# Altium PCB host_board.PcbDoc (part 6 of 8)
Units mm, origin at the board's own origin, x right, y up, seen from the top; angles counter-clockwise.
Board outline 87.41 x 55.77 mm, 4 copper layers (Top Layer, GND, Power, Bottom Layer), stack 1.59 mm thick; 232 components, 252 nets, 1101 pads, 689 vias.
Unrouted connection lines stored in the file: 17.
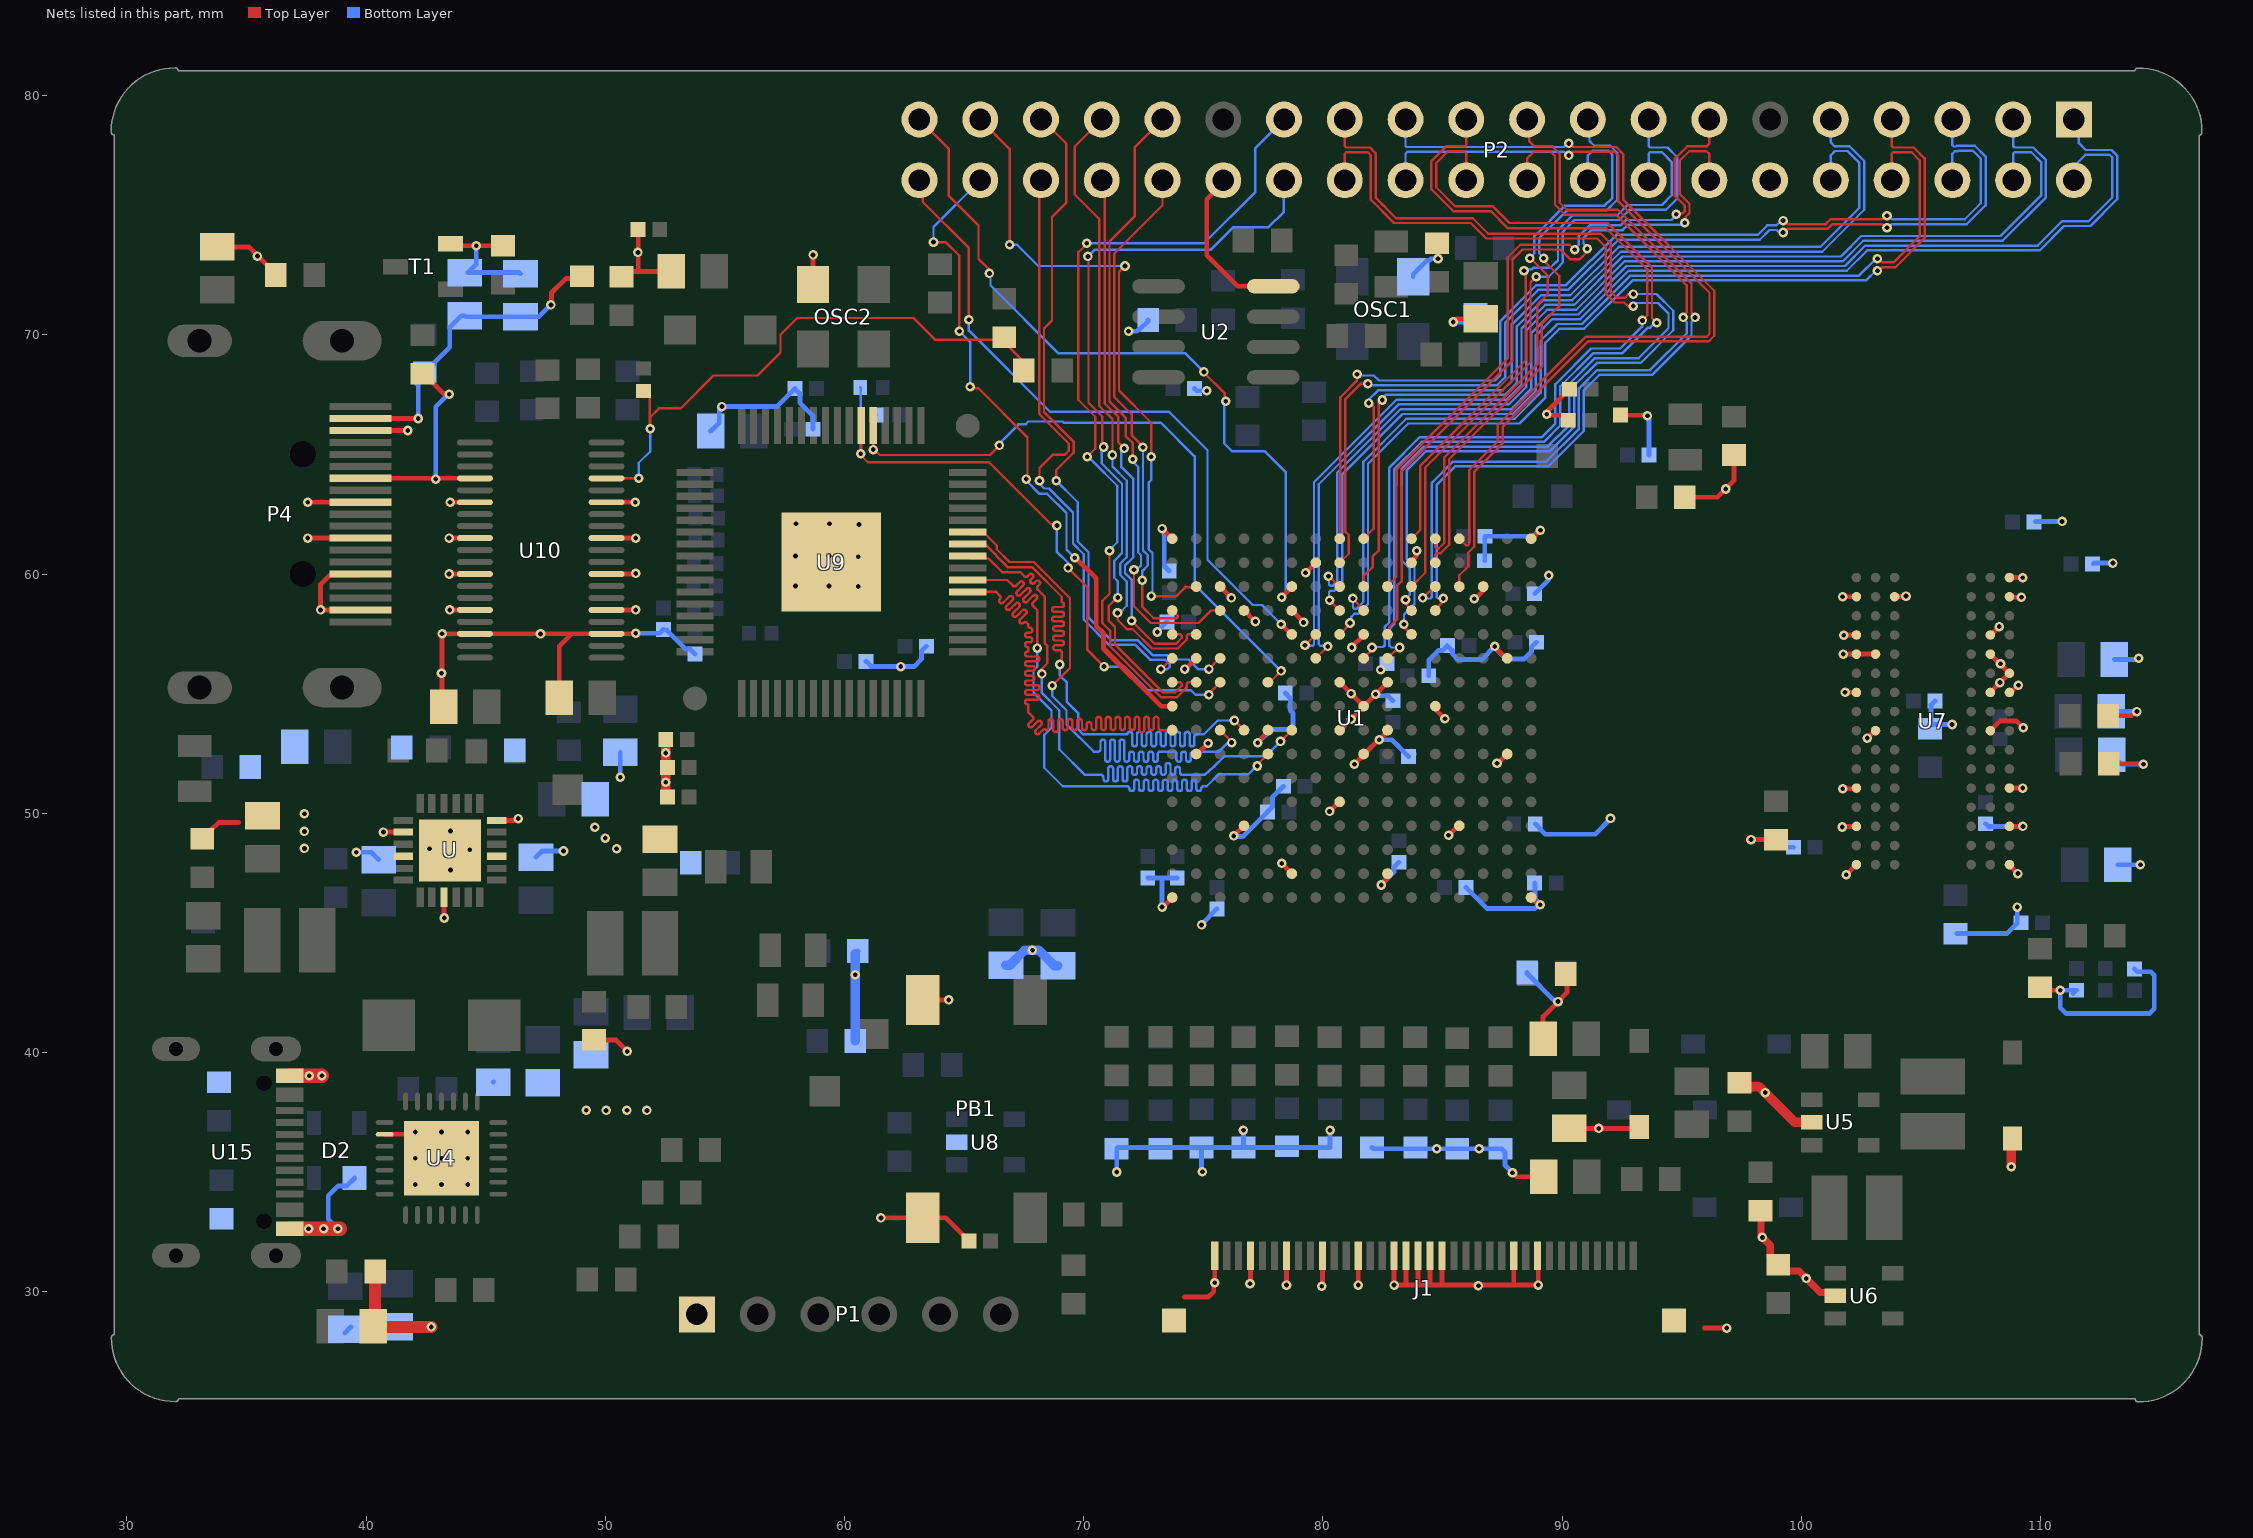
[diagram p8: the nets of this part, all layers, seen from the top]

## Via types
v1: diameter 0.4, hole 0.2, Top Layer to Bottom Layer, tented both sides, 664 vias
v2: diameter 0.5, hole 0.2, Top Layer to Bottom Layer, 9 vias
v3: diameter 0.4, hole 0.2, Top Layer to Bottom Layer, 7 vias
v4: diameter 0.4/0.4/0.4/0.4 (per signal layer), hole 0.2, Top Layer to Bottom Layer, tented both sides, 5 vias
v5: diameter 3, hole 3, Top Layer to Bottom Layer, tented both sides, 4 vias

## Nets (pads, with @x,y where several pads share a name; then routed paths per layer and width w, separated by ;. In a path a pad name is that pad's centre, name@x,y a point inside that pad or via, vN(x,y) a via of type N, cw(c..) or ccw(c..) an arc to the next point about the centre after c; other vN are vias at no path point) (continued)
GND: C1.1 C2.1 C3.1 C4.1 C5.1 C6.1 C7.1 C8.1 C9.1 C10.1 C11.1 C12.1 C13.1 C14.1 C15.1 C16.2 C17.1 C18.1 C21.1 C22.1 C23.1 C24.1 C25.1 C26.1 C27.1 C28.1 C29.1 C30.2 C31.1 C32.1 C34.1 C35.1 C37.2 C38.1 C40.1 C41.1 C42.1 C43.1 C44.1 C45.1 C46.1 C47.1 C48.1 C49.1 C50.1 C51.1 C52.1 C53.1 C54.1 C55.1 C56.1 C57.1 C58.1 C59.1 C60.1 C61.1 C62.1 C63.1 C64.1 C65.1 C66.1 C67.1 C68.1 C69.1 C70.1 C71.1 C72.1 C73.1 C74.1 C75.1 C76.1 C77.1 C78.1 C79.1 C80.2 D2.1 D4.1 D7.2 J1.1 J1.4 J1.7 J1.10 J1.13 J1.16 J1.17 J1.18 J1.19 J1.20 J1.26 J1.28 J1.MP1 J1.MP2 OSC1.2 OSC2.2 P1.1 P2.12 P2.30 P4.2 P4.5 P4.8 P4.11 P4.17 PB1.3 PB1.4 R3_Designator1.1 R3_Designator2.1 R3_Designator3.1 R3_Designator4.1 R3_Designator5.1 R4_Designator1.2 R4_Designator2.2 R4_Designator3.2 R4_Designator4.2 R4_Designator5.2 R8.1 R9.1 R10.1 R11.1 R13.2 R17.2 R19.2 R21.2 R25.1 R26.1 R27.1 R28.1 R29.1 R30.1 R31.1 R33.1 R42.1 R44.1 R49.2 R62.1 R65.2 R66.2 R70.1 R75.1 R77.1 R78.1 R81.1 R82.1 R83.2 R90.2 T1.2 U1.A1 U1.A16 U1.B7 U1.B11 U1.D4 U1.D13 U1.E9 U1.G2 U1.G8 U1.G15 U1.H7 U1.H9 U1.H12 U1.J5 U1.J8 U1.K7 U1.K9 U1.L2 U1.L15 U1.M8 U1.N11 U1.N13 U1.P3 U1.P14 U1.R6 U1.R10 U1.T1 U1.T16 U2.4 U4.2 U4.29 U5.2 U6.2 U7.A9 U7.B1 U7.B3 U7.B9 U7.D1 U7.D8 U7.E1 U7.E2 U7.E8 U7.F9 U7.G1 U7.G8 U7.G9 U7.J2 U7.J8 U7.M1 U7.M9 U7.P1 U7.P9 U7.T1 U7.T9 U8.2 U9.65 U10.3 U10.5 U10.8 U10.11 U10.14 U10.25 U10.28 U10.31 U10.34 U10.36 U15.A1/B12 U15.B1/A12 U.2 U.4 U.9 U.15 U.18 U.25 | length 278.2
  Top Layer w0.2: R26.1@33.15,48.925 33.2,48.925 33.55,49.275 33.55,49.325 33.835,49.61 34.678,49.61 ; C16.2@33.775,73.675 35.1,73.675 36.225,72.55 R17.2@36.225,72.5 ; v1(37.56,61.5) P4.8@39.76,61.5 ; v1(37.56,63) P4.11@39.76,63 ; P4.2@39.76,58.5 v1(38.097,58.5) 38.097,59.57 38.377,59.85 38.477,59.95 39.71,59.95 P4.5@39.76,60 ; P4.17@39.76,66 v1(41.74,66) ; C37.2@40.332,28.525 C37.2@40.305,28.551 C37.2@40.375,28.621 ; v1(40.725,49.21) 41.552,49.21 U.2@41.554,49.212 ; U4.2@40.775,36.575 42.15,36.575 v2(43.15,35.575) ; v1(43.15,55.847) 43.175,55.822 C62.1@43.175,55.172 ; v1@43.175,55.847 v1(43.175,57.5) U10.36@44.55,57.5 48.59,57.5 ; C62.1@43.25,54.45 C62.1@43.27,54.47 ; U.9@43.256,46.494 43.256,45.634 v1(43.27,45.62) ; v1(43.47,60) 44.475,60 44.5,60.025 U10.31@44.525,60 ; v1(43.47,61.5) U10.28@44.55,61.5 U10.28@44.675,61.5 ; v1(43.495,58.5) U10.34@44.55,58.5 ; v1(43.51,63) U10.25@44.72,63 ; T1.2@43.525,73.8 43.6,73.725 v1(44.6,73.725) R70.1@45.725,73.725 ; U.18@45.466,49.695 46.275,49.695 v1@46.37,49.789 ; C65.1@48.075,54.825 48.075,56.985 48.59,57.5 ; R25.1@49.52,40.52 50.44,40.52 v1(50.92,40.04) ; U10.5@50.05,58.5 v1(51.275,58.5) ; U10.8@50.05,60 v1@51.375,60 ; U10.11@50.05,61.5 v1(51.275,61.5) ; U10.14@50.05,63 v1(51.25,63) ; R62.1@50.675,72.425 50.9,72.65 51.36,72.65 ; v1@51.275,57.5 U10.3@50.05,57.5 48.59,57.5 ; C2.1@51.372,74.4 51.372,72.662 51.36,72.65 ; C34.1@52.75,72.65 51.36,72.65 ; v1@58.66,73.34 58.68,73.32 OSC2.2@58.68,72.11 ; v4(61.52,33.08) 61.532,33.092 PB1.3@63.26,33.092 64.228,33.092 C80.2@65.2,32.12 ; PB1.4@63.26,42.192 63.264,42.196 v4(64.358,42.196) ; v1(73.275,61.9) U1.T16@73.7,61.475 ; v1@73.3,46.075 U1.A16@73.7,46.475 ; 74.209,29.775 75.212,29.775 75.437,30 75.437,30.337 v1(75.475,30.375) J1.1@75.475,31.5 ; v1(74.225,56.025) 74.25,56.025 U1.L15@74.7,56.475 ; U1.G15@74.7,52.475 74.75,52.475 v1(75.2,52.925) ; U1.P14@75.7,59.475 v1(76.175,59) ; P2.30@75.833,76.46 75.833,76.36 75.14,75.668 75.14,73.33 76.44,72.03 U2.4@77.925,72.03 ; v1(76.275,49.05) U1.D13@76.7,49.475 ; U1.N13@76.7,58.475 77.15,58.025 v1@77.166,58.025 ; v1@76.975,30.35 J1.4@76.975,31.5 ; v1(77.275,52.947) 77.275,52.976 77.575,53.276 77.575,53.282 77.7,53.407 U1.H12@77.7,53.475 ; v1(78.275,47.9) U1.B11@78.7,47.475 ; v1@78.475,30.3 J1.7@78.475,31.5 ; U1.N11@78.7,58.475 79.175,58 v1@79.191,58 ; v1(79.275,60.05) U1.R10@79.7,60.475 ; v1@79.975,30.25 J1.10@79.975,31.5 ; v1(80.275,50.075) 80.675,50.475 U1.E9@80.7,50.475 ; U1.H9@80.7,53.475 80.725,53.475 v1(81.175,53.925) 81.175,53.937 81.7,54.462 U1.J8@81.7,54.475 ; U1.K9@80.7,55.475 U1.J8@81.7,54.475 ; v1(81.204,56.928) 81.204,56.953 81.7,57.449 U1.M8@81.7,57.475 ; v1(81.316,52.05) 81.7,52.434 U1.G8@81.7,52.475 81.725,52.475 82.325,53.075 v1(82.35,53.075) 82.7,53.425 U1.H7@82.7,53.475 ; v1(81.475,30.275) J1.13@81.475,31.5 ; v1(82.434,47) 82.434,47.035 82.652,47.254 82.652,47.427 U1.B7@82.7,47.475 ; U1.K7@82.7,55.475 U1.J8@81.7,54.475 ; J1.16@82.975,31.5 v1(82.975,30.275) 83.488,30.275 ; J1.17@83.475,31.5 83.475,30.288 83.488,30.275 ; U1.R6@83.7,60.475 83.7,60.543 83.925,60.768 v1(83.925,60.975) ; J1.18@83.975,31.5 83.975,30.3 84,30.275 ; J1.19@84.475,31.5 84.475,30.275 ; U1.J5@84.7,54.475 84.7,54.35 v1(85.1,53.95) ; R42.1@84.759,73.825 84.809,73.775 v1(84.809,73.175) ; J1.20@84.975,31.5 84.975,30.275 ; v1(85.25,49.075) 85.65,49.475 U1.D4@85.7,49.475 ; v1(85.451,70.534) 85.451,70.55 85.576,70.675 C60.1@86.6,70.675 ; v1(86.325,58.967) 86.363,58.967 86.675,59.279 86.675,59.475 U1.P3@86.7,59.475 ; v3(87.181,56.975) 87.181,56.944 87.65,56.475 U1.L2@87.7,56.475 ; v1@87.275,52.05 U1.G2@87.7,52.475 ; v1(87.925,34.97) 88.095,34.8 C32.1@89.225,34.8 ; J1.26@87.975,31.5 87.975,30.341 88.041,30.275 ; U1.A1@88.7,46.475 88.998,46.177 v1(89.079,46.177) ; U1.T1@88.7,61.475 88.742,61.475 v3(89.092,61.825) ; J1.28@88.975,31.5 88.998,31.477 v1@88.998,30.392 ; v1@88.985,30.288 v1@88.998,30.3 ; v1(88.998,30.275) 88.041,30.275 ; C29.1@89.2,40.575 89.2,41.5 v1(89.827,42.127) 90.2,42.5 90.2,43.227 R49.2@90.155,43.272 ; C74.1@90.253,66.425 90.044,66.635 89.395,66.635 v1(89.355,66.675) 89.393,66.713 89.393,66.815 C78.1@90.303,67.725 ; C35.1@90.3,36.825 93.175,36.825 D7.2@93.225,36.875 ; C77.1@92.433,66.635 93.542,66.635 v1(93.562,66.616) ; R13.2@95.13,63.209 96.492,63.209 97.181,63.897 R75.1@97.181,64.975 ; 95.95,28.475 v1(96.881,28.475) ; v1(97.895,48.896) R30.1@98.933,48.896 ; v1(101.725,51.025) 102.271,51.025 102.273,51.023 102.321,50.975 102.246,51.05 U7.M1@102.3,51.05 ; v1@101.725,57.45 U7.D1@102.3,57.45 ; v1(101.725,59.05) U7.B1@102.3,59.05 ; v1(101.75,56.65) U7.E1@102.3,56.65 U7.E2@103.1,56.65 ; v1@101.8,49.45 U7.P1@102.3,49.45 ; v1@101.829,55.054 102.287,55.054 102.291,55.059 U7.G1@102.3,55.05 ; v1(101.875,47.425) U7.T1@102.3,47.85 ; v1(102.75,53.142) 103.058,53.45 U7.J2@103.1,53.45 ; U7.B3@103.9,59.05 103.912,59.063 104.363,59.063 v1(104.375,59.075) ; U7.J8@107.9,53.45 108.3,53.85 109,53.85 v1(109.275,53.575) ; U7.G8@107.9,55.05 107.9,55.054 108.3,55.454 v1(108.3,55.459) ; U7.E8@107.9,56.65 U7.F9@108.7,55.85 v1@108.3,55.45 ; U7.D8@107.9,57.45 107.925,57.45 v1(108.275,57.8) ; U7.T9@108.7,47.85 108.7,47.825 v1(109.05,47.475) ; U7.P9@108.7,49.45 v1@109.3,49.45 ; U7.M9@108.7,51.05 109.275,51.05 v1@109.275,51.025 ; U7.G9@108.7,55.05 108.754,55.05 v1@109.054,55.35 ; U7.B9@108.7,59.05 108.725,59.025 v1(109.2,59.025) ; U7.A9@108.7,59.85 109.225,59.85 v1@109.23,59.845 ; D4.1@108.775,36.35 D4.1@108.825,36.4 ; R8.1@109.975,42.727 110.1,42.602 v1(110.825,42.602) ; R9.1@112.825,54.075 113.796,54.075 113.971,54.25 v1(114.025,54.25) ; R31.1@112.85,52.068 v1@114.282,52.068 ; 83.488,30.275 84,30.275 ; 84,30.275 84.475,30.275 ; 84.475,30.275 84.975,30.275 ; 84.975,30.275 88.041,30.275
  Top Layer w0.3: R29.1@98.284,33.382 98.307,33.359 v1@98.307,32.33 ; v1@98.34,32.297 98.701,31.936 98.701,31.425 99.001,31.125 R27.1@99.033,31.125 99.298,30.86 99.896,30.86 100.792,29.964 101.286,29.964 U6.2@101.425,29.825
  Top Layer w0.4: C75.1@52.525,53.084 52.525,50.758 C72.1@52.6,50.683 ; R28.1@97.414,38.725 97.578,38.561 98.248,38.561 99.733,37.075 U5.2@100.425,37.075 ; v1(108.775,35.225) D4.1@108.775,36.35
  Top Layer w0.5: C37.2@40.332,28.525 v1(42.725,28.525) ; C37.2@40.375,28.621 R83.2@40.375,30.85
  Top Layer w0.6: U15.B1/A12@36.805,32.625 36.81,32.63 v1@37.51,32.63 ; U15.A1/B12@36.805,39.025 v1(38.15,39.025) ; v1(37.595,32.63) v1@38.91,32.63
  Bottom Layer w0.2: v1(38.82,32.63) 38.42,33.03 38.42,34 38.837,34.417 39.187,34.417 D2.1@39.52,34.75 ; C14.1@39.11,28.27 C14.1@39.365,28.525 ; v1(39.59,48.37) 40.22,48.37 C18.1@40.53,48.06 ; v1(44.6,73.725) 44.6,72.942 44.258,72.6 46.4,72.6 C63.1@46.45,72.55 ; C25.1@45.31,38.75 C25.1@45.335,38.775 ; C17.1@47.1,48.16 47.36,48.42 v1(48.25,48.42) ; v1(50.625,51.5) C64.1@50.625,52.55 ; v1(51.275,57.525) 52.275,57.525 C76.1@52.43,57.68 ; C76.1@52.575,57.655 53.37,56.86 53.54,56.86 C69.1@53.75,56.65 ; C27.1@54.4,65.975 54.758,66.333 54.758,66.883 v1(54.875,67) 57.175,67 C61.1@57.925,67.75 58.135,67.54 58.135,67.165 58.679,66.621 C67.1@58.679,66.05 ; R81.1@60.45,44.126 R81.1@60.56,44.235 ; C68.1@60.9,56.345 61.11,56.135 61.478,56.135 61.485,56.128 62.91,56.128 63.215,56.432 63.215,56.769 C3.1@63.425,56.979 ; v1(71.375,35) R3_Designator5.1@71.375,35.975 71.425,36.025 R4_Designator4.2@76.675,36.025 ; v1(71.875,70.15) 72.215,70.15 72.29,70.225 72.34,70.225 72.69,70.575 R44.1@72.69,70.625 ; C44.1@72.675,47.29 73.275,47.29 ; v1(73.071,57.575) 73.071,57.596 C45.1@73.475,58 ; v1(73.275,46.075) 73.275,47.29 ; v1(73.275,61.9) 73.275,61.846 73.365,61.756 73.365,60.335 C53.1@73.575,60.125 ; C48.1@73.909,47.29 73.275,47.29 ; C46.1@74.625,67.75 74.717,67.658 v1(75.14,67.658) ; R3_Designator4.1@74.925,36.025 74.925,35.053 v1@74.978,35 ; v1(74.925,45.328) 74.925,45.359 C70.1@75.566,46 ; v1(76.275,49.05) 76.3,49.025 76.65,49.025 77.465,49.84 77.885,50.26 77.885,50.66 C38.1@78.35,51.125 ; v1@76.7,36.75 76.675,36.725 R4_Designator4.2@76.675,36.025 ; v1(77.275,52.947) 77.828,53.5 78.6,53.5 78.75,53.65 78.75,54.175 78.635,54.29 78.635,54.815 C55.1@78.425,55.025 ; v1@80.3,36.75 R4_Designator3.2@80.3,36.025 R4_Designator4.2@76.675,36.025 ; R3_Designator2.1@82.05,36.025 82.1,35.975 v1(84.757,35.975) v1(86.525,35.975) 87.465,35.975 87.61,35.83 87.61,35.285 v1(87.925,34.97) ; v1(82.2,54.975) 82.254,54.975 82.319,54.91 82.715,54.91 C52.1@82.925,54.7 ; v1(82.35,53.075) 82.878,53.075 83.185,52.768 83.185,52.765 C9.1@83.575,52.375 ; v1(82.434,47) 82.965,47.531 82.965,47.74 C71.1@83.175,47.95 ; OSC1.2@83.77,72.425 83.77,72.525 84.345,73.1 84.445,73.1 84.52,73.175 v1(84.809,73.175) ; C49.1@84.425,55.75 84.425,56.403 84.82,56.799 84.99,56.799 C30.2@85.2,57.009 85.41,56.799 85.41,56.67 85.655,56.425 86.631,56.425 v3(87.181,56.975) 87.181,56.921 87.53,56.572 87.53,56.567 87.647,56.45 88.41,56.45 88.715,56.755 88.715,56.94 C1.1@88.925,57.15 ; v1(85.451,70.534) 86.034,70.534 R33.1@86.375,70.875 ; C66.1@85.975,46.9 86.856,46.019 88.867,46.019 89.025,46.177 v1(89.079,46.177) 89.079,46.182 88.867,46.394 88.867,47.063 C50.1@88.85,47.08 ; C42.1@86.76,60.551 86.76,61.56 C12.1@86.775,61.575 88.788,61.575 89.038,61.825 v3(89.092,61.825) ; R66.2@88.533,43.349 88.533,43.299 89.667,42.165 89.789,42.165 v1(89.827,42.127) ; C56.1@88.85,59.175 89.441,59.766 v1(89.441,59.943) ; C58.1@88.875,49.55 89.3,49.125 91.378,49.125 v1@92.02,49.767 ; v1(93.562,66.616) 93.631,66.546 C8.1@93.631,64.975 ; v1(97.895,48.896) 98.675,48.896 98.996,48.575 C54.1@99.675,48.575 ; C43.1@105.582,54.69 105.42,54.527 105.42,53.71 v1@106.28,53.71 ; R11.1@106.5,44.975 108.6,44.975 109.025,45.4 v1(109.025,46.075) ; C47.1@107.7,49.561 107.85,49.411 107.889,49.45 v1(109.26,49.45) ; C13.1@109.775,62.2 v1(110.9,62.2) ; C40.1@111.35,42.452 C40.1@111.5,42.602 v1(110.825,42.602) 110.825,41.875 111.075,41.625 114.55,41.625 114.75,41.825 114.75,43.225 114.6,43.375 114.04,43.375 C31.1@113.925,43.49 ; C57.1@112.2,60.425 112.232,60.457 v1(113.025,60.457) ; C7.1@112.95,54.263 112.963,54.25 v1(114.025,54.25) ; C11.1@112.975,52.45 113.375,52.05 v1(114.3,52.05) ; C10.1@113.075,56.425 v1@114.075,56.425 ; C6.1@113.225,47.85 v1(114.175,47.85)
  Bottom Layer w0.4: R82.1@60.45,40.48 R81.1@60.45,44.126 ; C28.1@66.747,43.635 66.897,43.635 67.534,44.273 v1(67.852,44.273) 68.122,44.273 68.772,43.623 C26.1@68.922,43.623
  other v1: 79.95,30.225 86.5,30.25 78.475,30.275 76.95,30.325 100.202,30.554 98.372,32.265 38.22,32.63 74.958,35.007 76.675,36.75 80.3,36.75 91.525,36.825 50.03,37.575 51.74,37.575 49.2,37.58 50.9,37.58 98.49,38.319 37.625,39.025 60.45,43.25 43.53,47.63 44.33,48.47 42.65,48.51 50.47,48.51 37.42,48.53 50,48.96 37.42,49.237 43.53,49.26 49.566,49.41 101.704,49.425 46.356,49.775 92.02,49.784 37.42,49.975 109.25,51.05 52.525,51.296 87.275,52.087 52.525,52.521 106.303,53.71 81.175,55 101.825,55.059 109.075,55.35 82.408,56 62.35,56.128 108.325,56.25 114.1,56.475 101.775,57.442 47.29,57.495 79.191,57.975 77.175,58.016 60.575,59.475 57.95,59.5 59.35,59.5 109.25,59.845 51.275,60.025 60.575,60.725 57.95,60.75 59.35,60.75 60.6,62.075 57.975,62.1 59.375,62.1 96.837,63.553 35.455,73.29 58.685,73.34 51.36,73.443
  other v2: 42.05,34.475 43.15,34.475 44.25,34.475 42.05,35.575 44.25,35.575 42.05,36.675 43.15,36.675 44.25,36.675
GPIO0_N: P2.2 U1.P9 | length 48.6
  Top Layer w0.1: v1(80.229,59.903) 80.25,59.903 80.678,59.475 U1.P9@80.7,59.475
  Bottom Layer w0.1: v1(80.229,59.903) 80.252,59.88 80.252,59.56 80.311,59.501 80.393,59.501 80.6,59.708 80.6,64.242 83.248,66.89 87.849,66.89 88.7,67.741 88.7,70.058 89.492,70.85 90.669,70.85 92.694,72.875 92.8,72.875 101.817,72.875 102.671,73.729 109.879,73.729 110.901,74.75 112,74.75 113,75.75 113,77.408 112.883,77.525 111.875,77.525 111.523,77.173 111.523,76.59 P2.2@111.393,76.46
GPIO0_P: P2.1 U1.N9 | length 49.4
  Top Layer w0.1: v1(80.275,58.9) U1.N9@80.7,58.475
  Bottom Layer w0.1: v1(80.275,58.9) 80.252,58.923 80.252,59.243 80.311,59.301 80.476,59.301 80.8,59.625 80.8,64.159 83.331,66.69 87.932,66.69 88.9,67.658 88.9,69.975 89.575,70.65 90.752,70.65 92.777,72.675 92.959,72.675 101.9,72.675 102.754,73.529 109.962,73.529 110.984,74.55 112.083,74.55 113.2,75.667 113.2,77.491 112.966,77.725 111.888,77.725 111.6,78.013 111.6,78.793 P2.1@111.393,79
GPIO1_N: P2.4 U1.M10 | length 48.5
  Top Layer w0.1: v1@79.225,57 U1.M10@79.7,57.475
  Bottom Layer w0.1: v1(79.25,57.025) 79.275,57 79.566,57 79.625,57.059 79.625,63.833 83.082,67.29 87.683,67.29 88.3,67.906 88.3,70.258 89.292,71.25 90.503,71.25 92.528,73.275 92.592,73.275 101.651,73.275 102.505,74.129 108.329,74.129 110.02,75.82 110.02,77.22 109.61,77.63 108.911,77.63 108.853,77.571 P2.4@108.853,76.46
GPIO1_P: P2.3 U1.L10 | length 48.9
  Top Layer w0.1: U1.L10@79.7,56.475 v1(80.2,56.975) v1@80.225,56.975
  Bottom Layer w0.1: v1(80.2,56.975) 80.175,57 79.884,57 79.825,57.059 79.825,63.75 83.165,67.09 87.766,67.09 88.5,67.824 88.5,70.175 89.375,71.05 90.586,71.05 92.611,73.075 92.675,73.075 101.734,73.075 102.588,73.929 108.411,73.929 110.22,75.737 110.22,77.303 109.693,77.83 108.911,77.83 108.853,77.889 P2.3@108.853,79
GPIO2_N: P2.6 U1.T9 | length 42.2
  Top Layer w0.1: U1.T9@80.7,61.475 80.725,61.5 80.725,67.383 81.425,68.083 v1(81.425,68.35) ; v1(99.233,74.775) 99.292,74.775 99.442,74.625 101.014,74.625 101.218,74.829 103.371,74.829 103.521,74.979 v1(103.58,74.979)
  Bottom Layer w0.1: v1@81.6,68.3 82.127,68.3 82.337,68.09 87.196,68.09 87.415,68.308 87.415,70.575 88.915,72.075 90.167,72.075 92.267,74.175 98.175,74.175 98.58,74.58 98.957,74.58 99.152,74.775 v1(99.233,74.775) ; v1(103.58,74.979) 103.639,74.979 103.789,74.829 106.833,74.829 107.5,75.496 107.5,77.366 107.166,77.7 106.567,77.7 106.537,77.67 106.411,77.67 106.313,77.571 P2.6@106.313,76.46
GPIO2_P: P2.5 U1.R9 | length 43.5
  Top Layer w0.1: U1.R9@80.7,60.475 81.075,60.85 81.075,61.63 80.925,61.78 80.925,67.3 81.575,67.95 v1(81.878,67.95) ; v1(99.233,74.275) 99.292,74.275 99.442,74.425 101.097,74.425 101.301,74.629 103.371,74.629 103.521,74.479 v1(103.58,74.479)
  Bottom Layer w0.1: v1(81.878,67.95) 81.938,67.89 87.279,67.89 87.615,68.226 87.615,70.492 88.998,71.875 90.25,71.875 92.35,73.975 98.258,73.975 98.663,74.38 98.963,74.38 99.01,74.332 99.176,74.332 v1(99.233,74.275) ; v1(103.58,74.479) 103.639,74.479 103.789,74.629 106.916,74.629 107.7,75.413 107.7,77.449 107.249,77.9 106.484,77.9 106.454,77.87 106.371,77.87 106.313,77.928 P2.5@106.313,79
GPIO3_N: P2.8 U1.N8 | length 41.7
  Top Layer w0.1: v1(81.254,58.978) 81.254,58.949 81.7,58.503 U1.N8@81.7,58.475 ; v1(103.179,73.175) 103.238,73.175 103.388,73.025 103.85,73.025 104.95,74.125 104.95,77.293 104.613,77.63 103.831,77.63 103.773,77.571 P2.8@103.773,76.46
  Bottom Layer w0.1: v1(81.254,58.978) 81.254,58.598 81.313,58.539 81.395,58.539 81.684,58.828 81.684,64.689 83.485,66.49 88.015,66.49 89.1,67.575 89.1,69.75 89.8,70.45 90.835,70.45 92.86,72.475 102.408,72.475 103.108,73.175 v1(103.179,73.175)
GPIO3_P: P2.7 U1.M9 | length 42.3
  Top Layer w0.1: U1.M9@80.7,57.475 v1@81.175,57.95 ; v1(103.179,72.675) 103.238,72.675 103.388,72.825 103.933,72.825 105.15,74.042 105.15,77.376 104.696,77.83 103.831,77.83 103.773,77.889 P2.7@103.773,79
  Bottom Layer w0.1: v1(81.129,57.953) 81.186,58.01 81.186,58.213 81.313,58.339 81.478,58.339 81.884,58.745 81.884,64.606 83.568,66.29 88.215,66.29 89.3,67.375 89.3,69.667 89.883,70.25 90.918,70.25 92.943,72.275 102.708,72.275 103.108,72.675 v1(103.179,72.675)
GPIO4_N: P2.10 U1.T8 | length 35.8
  Top Layer w0.1: U1.T8@81.7,61.475 82.125,61.9 82.125,66.996 81.91,67.211 v1(81.91,67.143)
  Bottom Layer w0.1: v1(81.91,67.143) 81.91,67.285 82.315,67.69 87.518,67.69 87.9,68.072 87.9,70.433 89.117,71.65 90.338,71.65 92.363,73.675 92.417,73.675 100.792,73.675 102.425,75.308 102.425,77.183 101.924,77.684 101.409,77.684 101.233,77.508 P2.10@101.233,76.46
GPIO4_P: P2.9 U1.P8 | length 37.7
  Top Layer w0.1: U1.P8@81.7,59.475 81.7,59.91 82.075,60.285 82.075,60.725 82.325,60.975 82.325,67.143 82.479,67.297 v1(82.479,67.275)
  Bottom Layer w0.1: v1(82.479,67.275) 82.479,67.341 82.627,67.49 87.601,67.49 88.1,67.989 88.1,70.35 89.2,71.45 90.421,71.45 92.446,73.475 92.5,73.475 100.875,73.475 102.625,75.225 102.625,77.266 102.007,77.884 101.391,77.884 101.233,78.042 P2.9@101.233,79
GPIO5_N: P2.14 U1.M7 | length 32
  Top Layer w0.1: U1.M7@82.7,57.475 82.767,57.542 82.767,57.776 83.1,58.109 83.1,59.514 83.286,59.7 83.286,63.7 83.28,63.705 83.28,64.28 87.925,68.925 87.925,73.143 88.347,73.565 89.935,73.565 90.35,73.15 90.725,73.15 91.05,73.475 v1(91.05,73.6) ; v1(95.126,74.681) 95.168,74.723 95.168,74.935 95.323,75.09 95.323,75.481 94.914,75.89 94.914,77.279 95.31,77.675 96.03,77.675 96.153,77.552 P2.14@96.153,76.46
  Bottom Layer w0.1: v1(91.05,73.6) 91.05,73.648 90.89,73.809 90.89,74.04 91.225,74.375 92.527,74.375 92.752,74.6 95.045,74.6 v1(95.126,74.681)
GPIO5_P: P2.13 U1.P7 | length 29.5
  Top Layer w0.1: U1.P7@82.7,59.475 82.7,59.512 83.075,59.888 83.075,63.7 83.08,63.705 83.08,64.363 87.725,69.008 87.725,73.24 88.25,73.765 90.318,73.765 v1(90.529,73.554) ; v1(94.773,75.035) 94.814,75.076 95.026,75.076 95.123,75.173 95.123,75.398 94.714,75.807 94.714,77.362 95.227,77.875 96.03,77.875 96.153,77.998 P2.13@96.153,79
  Bottom Layer w0.1: v1(90.529,73.554) 90.529,73.602 90.69,73.762 90.69,74.123 91.142,74.575 92.444,74.575 92.669,74.8 94.564,74.8 94.773,75.009 v1(94.773,75.035)
GPIO6_N: P2.16 U1.T6 | length 25.1
  Top Layer w0.1: U1.T6@83.7,61.475 84.075,61.85 84.075,64.533 88.475,68.933 88.475,72.608 v1(88.404,72.679)